# Altium PCB TEBF0808.PcbDoc (part 1 of 11) (continued)
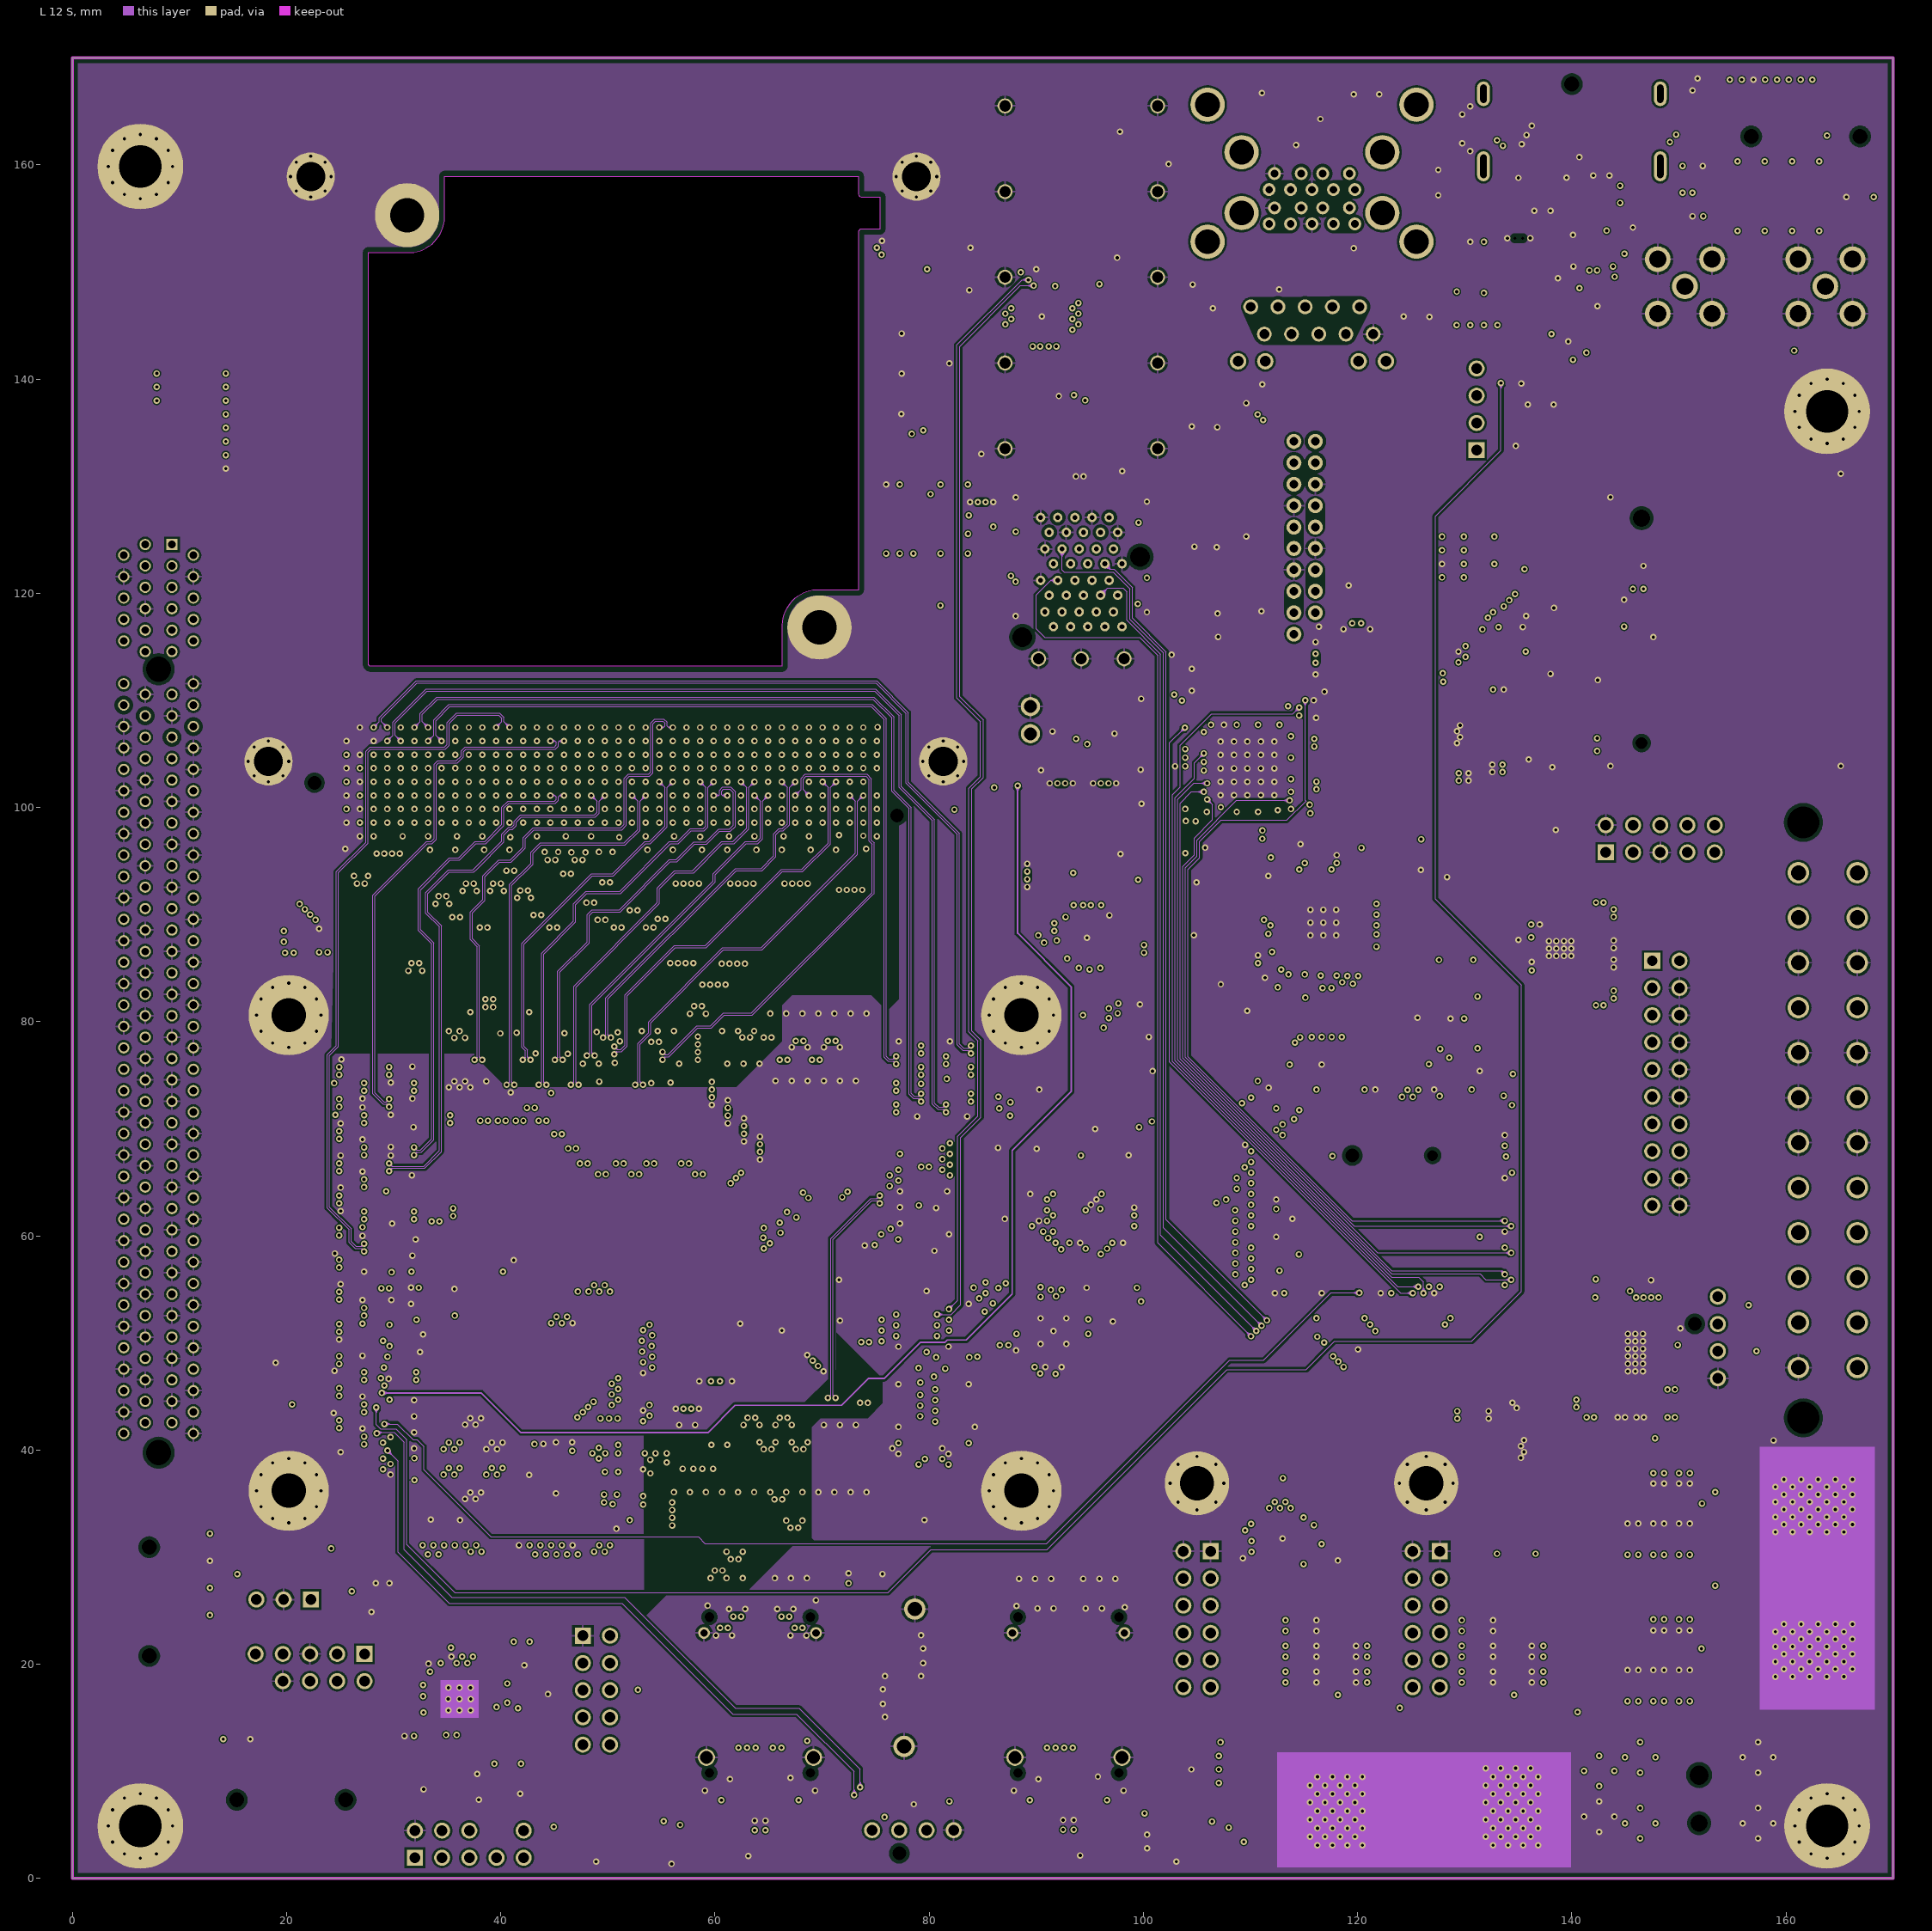
[diagram p12: L 12 S]
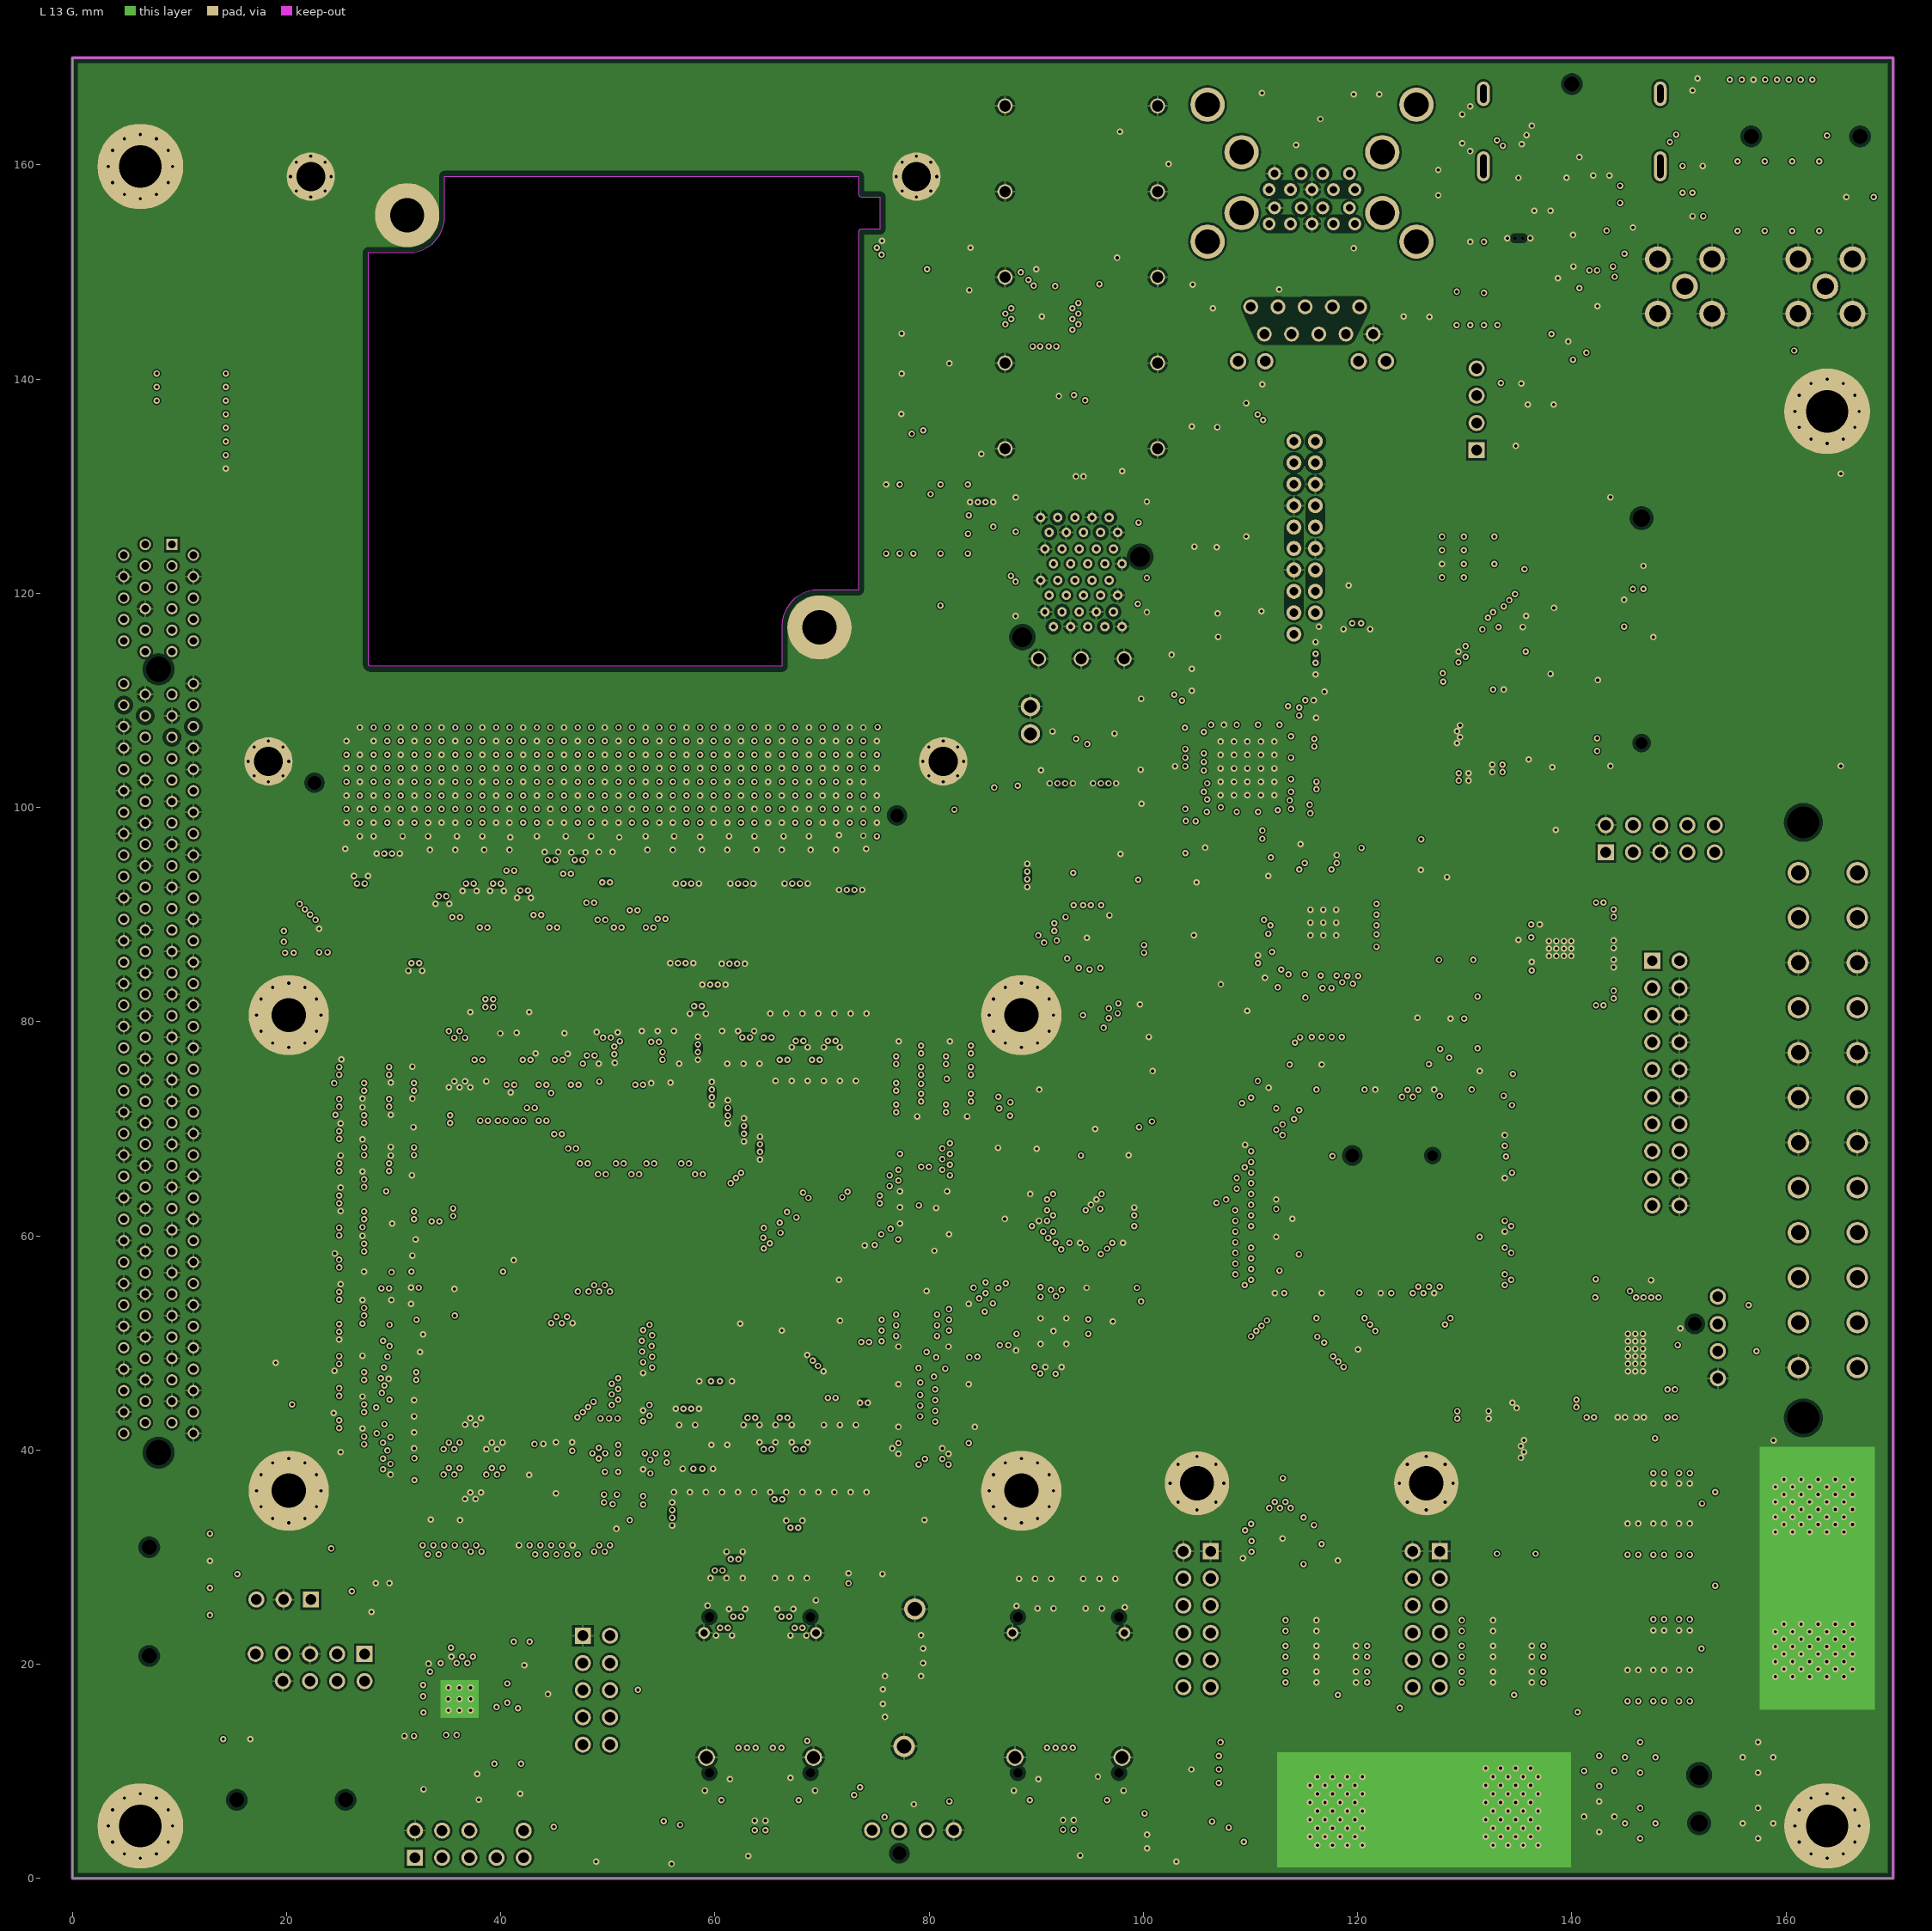
[diagram p13: L 13 G]
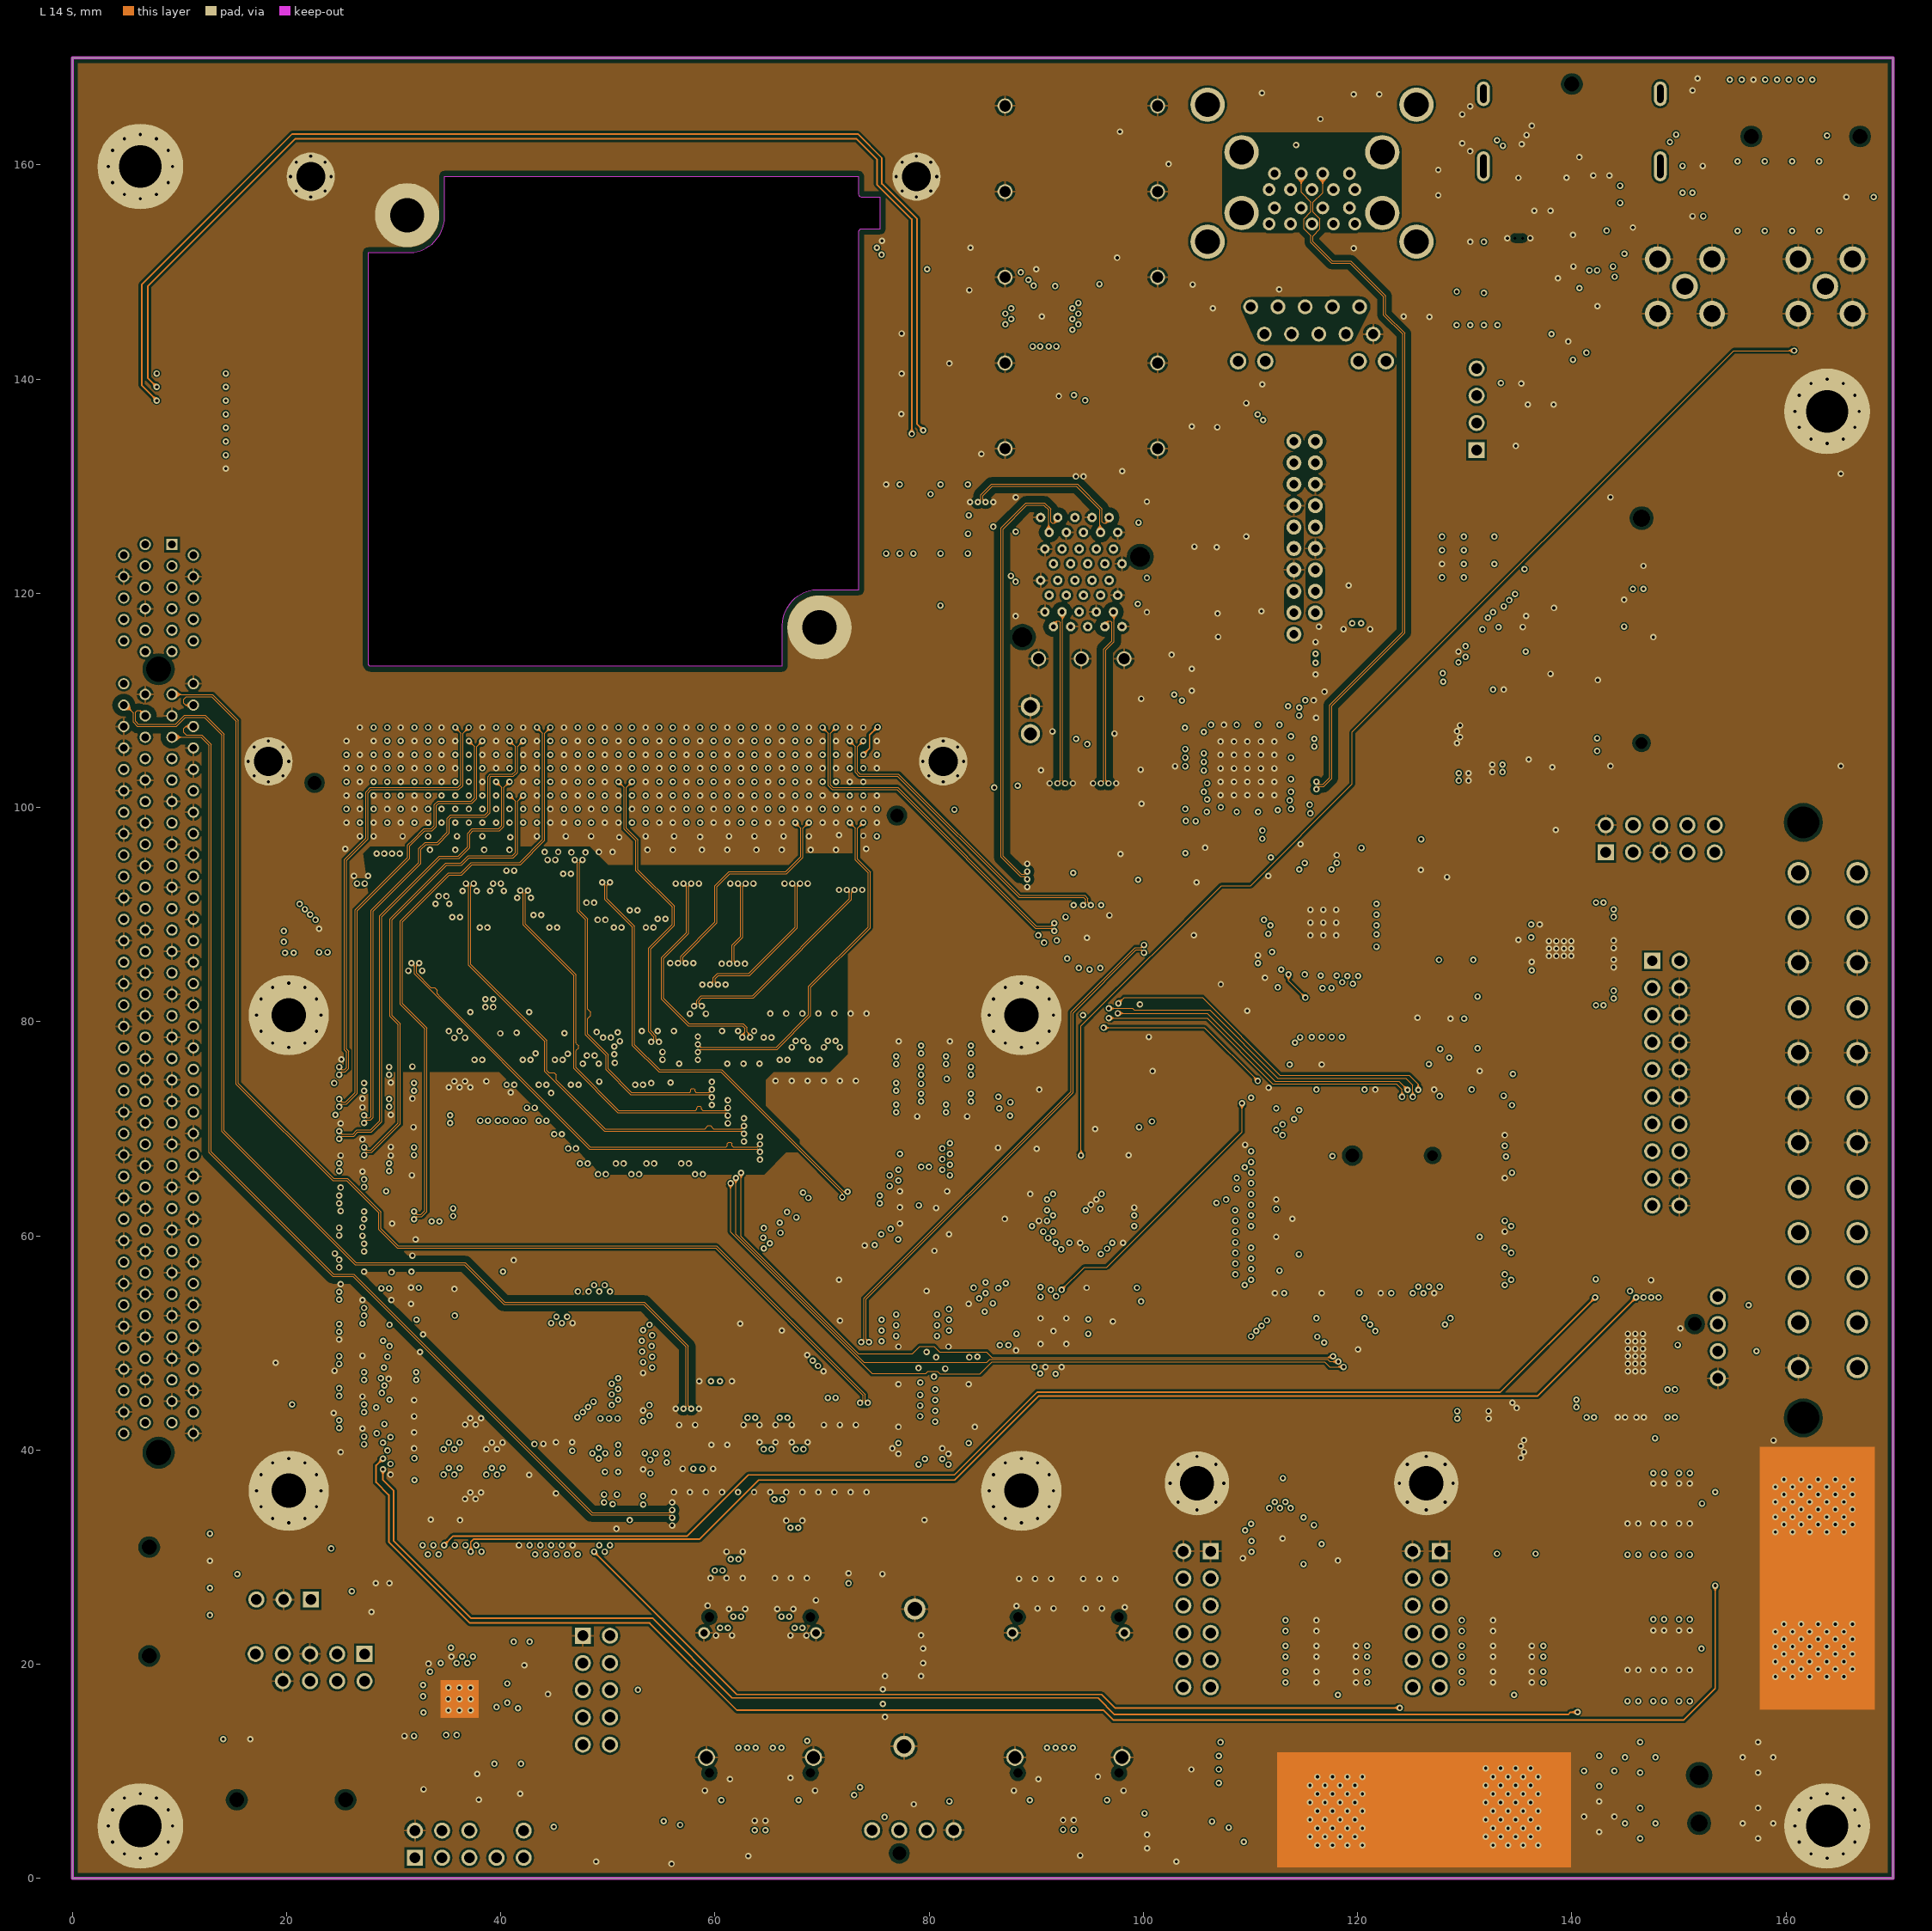
[diagram p14: L 14 S]